# Altium PCB Split_pcb.PcbDoc (part 2 of 2)
Units mm, origin at the board's own origin, x right, y up, seen from the top; angles counter-clockwise.
Board outline 94 x 100 mm, 2 copper layers (Top Layer, Top, Bottom Layer, Bottom), stack 0.981 mm thick; 156 components, 108 nets, 453 pads, 241 vias.
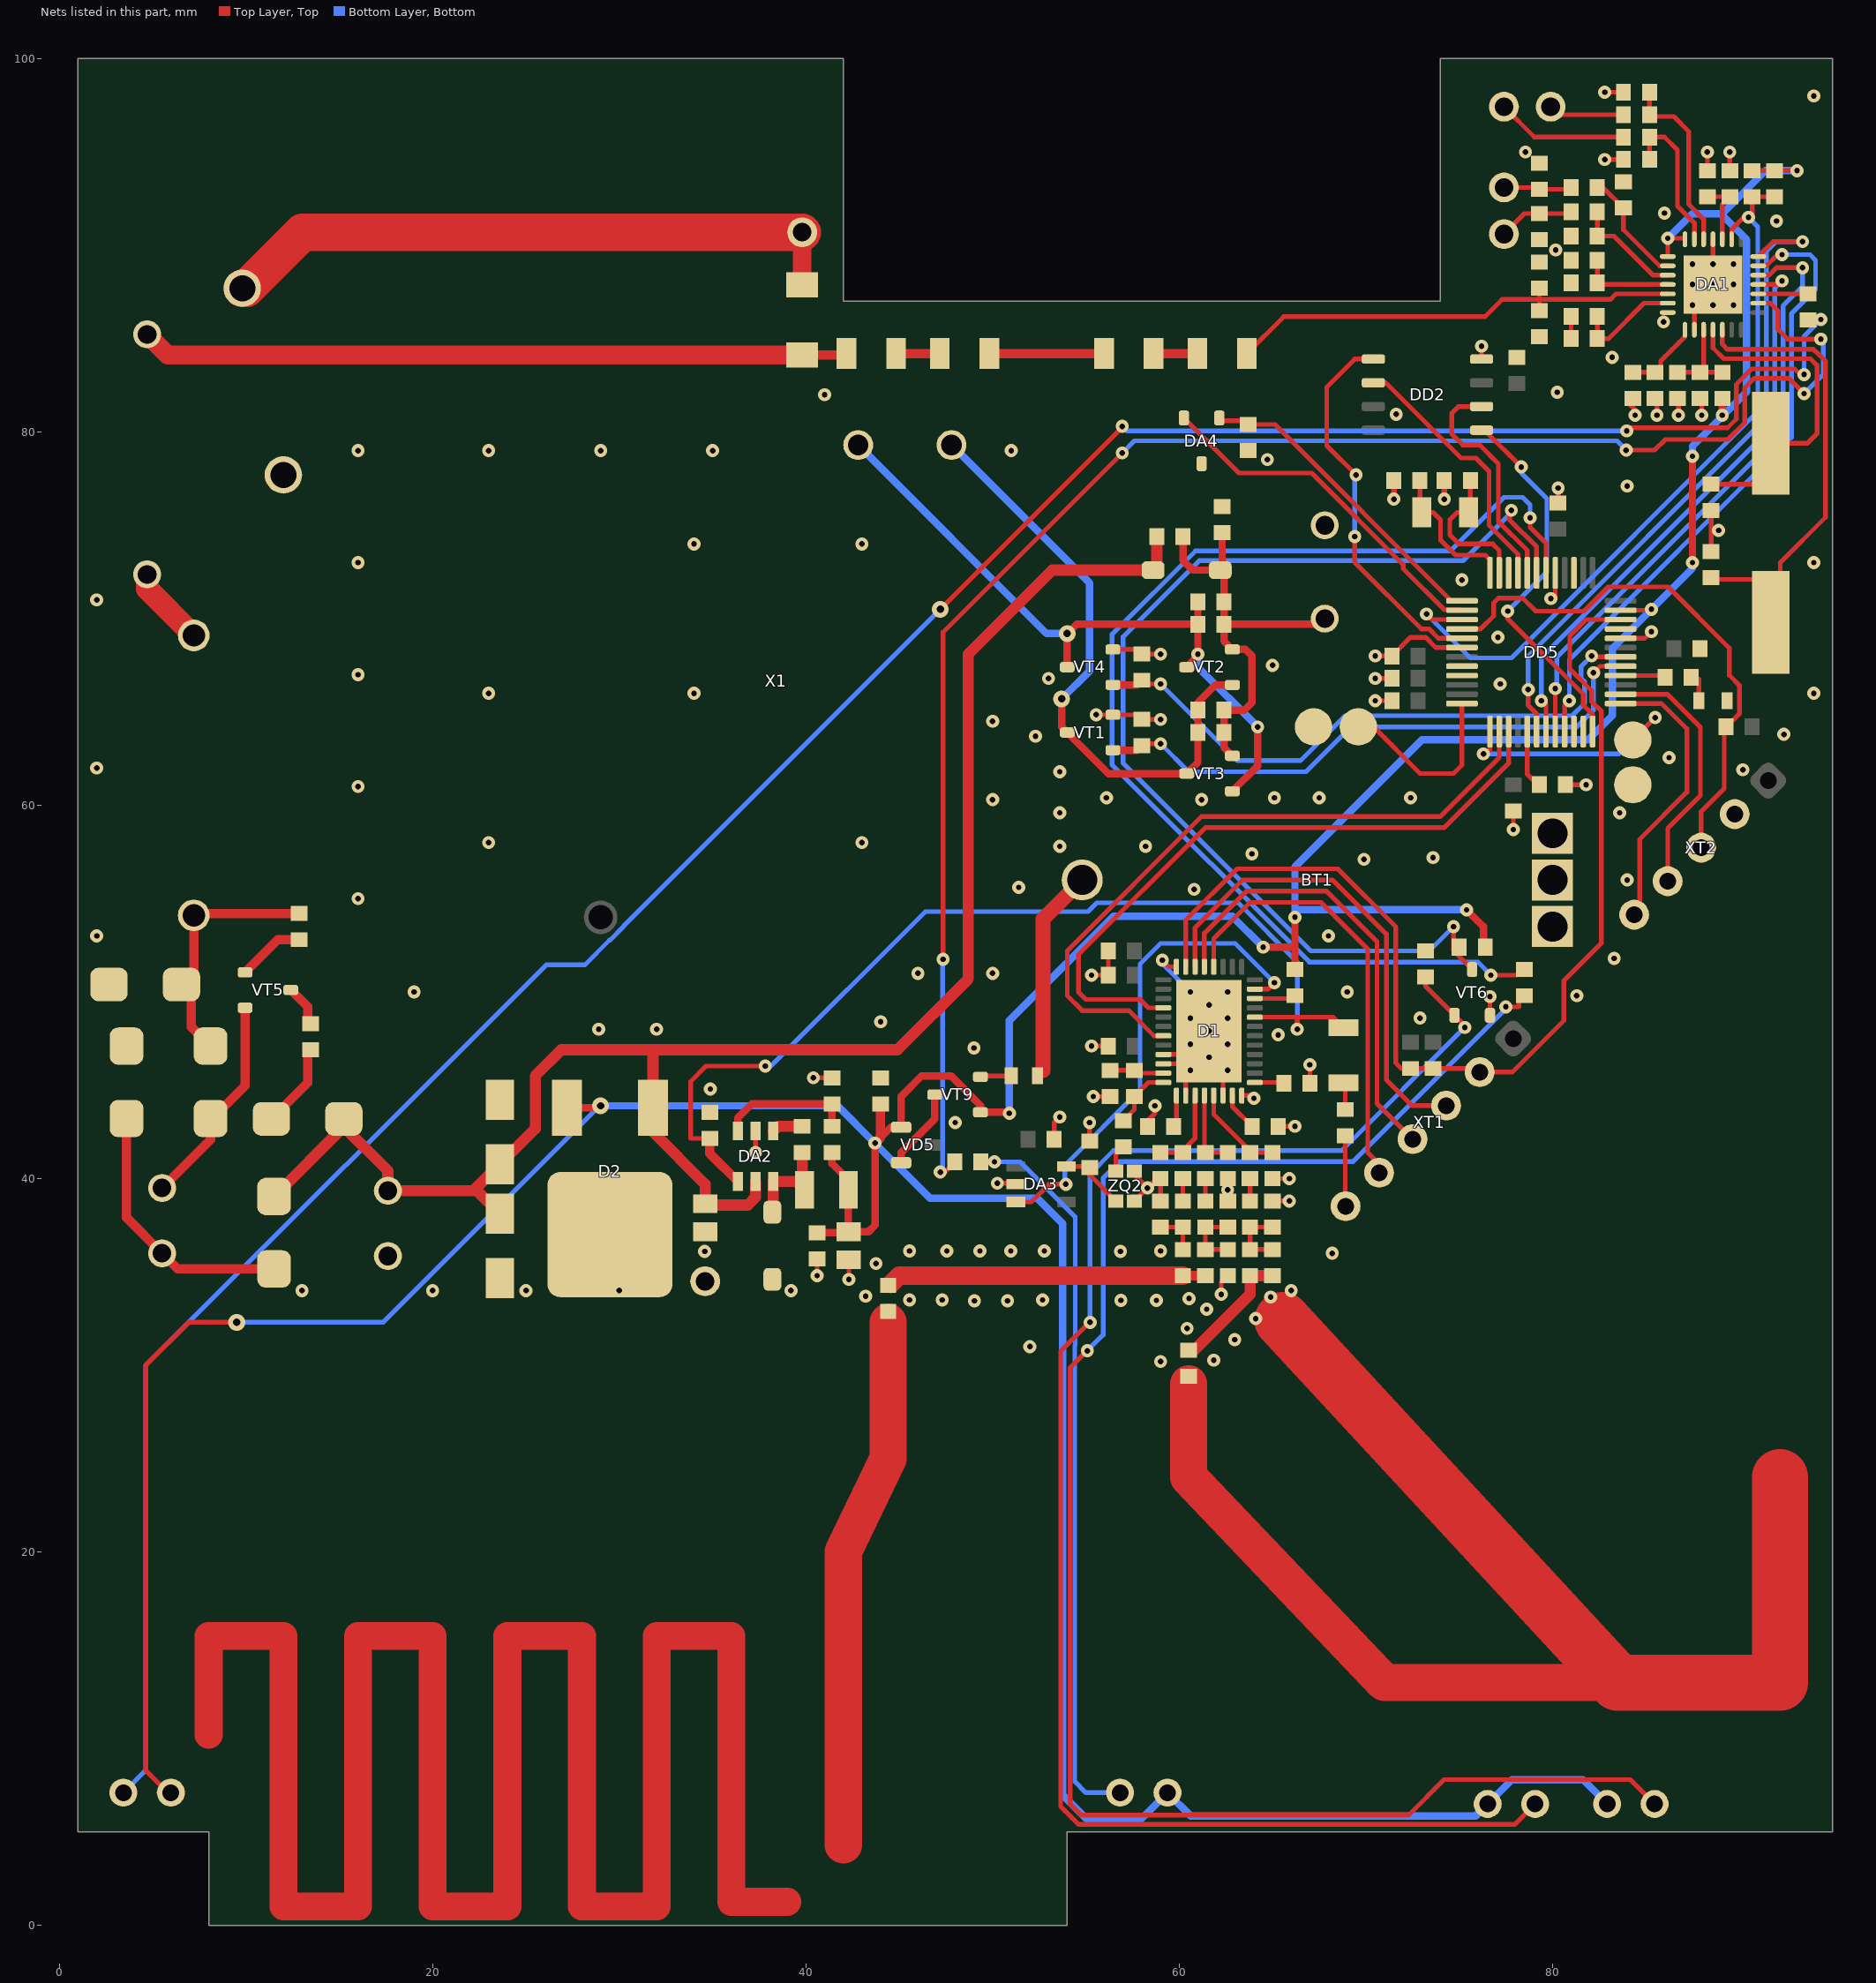
[diagram p2: the nets of this part, all layers, seen from the top]

## Via types
v1: diameter 0.7, hole 0.3, Top Layer, Top to Bottom Layer, Bottom, tented both sides, 216 vias
v2: diameter 0.6, hole 0.3, Top Layer, Top to Bottom Layer, Bottom, tented both sides, 20 vias
v3: diameter 0.9, hole 0.4, Top Layer, Top to Bottom Layer, Bottom, tented both sides, 5 vias

## Nets (pads, with @x,y where several pads share a name; then routed paths per layer and width w, separated by ;. In a path a pad name is that pad's centre, name@x,y a point inside that pad or via, vN(x,y) a via of type N, cw(c..) or ccw(c..) an arc to the next point about the centre after c; other vN are vias at no path point) (continued)
12V: C13.1 C17.1 D2.1 DA2.5 R11.1 VD4.1 VD9.1 VD10.1 VD13.1 VD14.1 | length 93.7
  Top Layer, Top w0.6: VD4.1@11.5,39.04 VD10.1@15.24,42.78 ; VD10.1@15.24,43.2 VD10.1@15.24,42.78 ; VD9.1@23.6,38.125 22.375,39.35 22.175,39.35 ; DA2.5@37.3,39.85 37.3,39 36.886,38.586 34.664,38.586 C17.1@34.6,38.65 34.6,39.7 31.8,42.5 D2.1@31.8,43.8 31.8,46.9 ; R11.1@58.8,74.4 58.8,72.8 VD13.1@58.6,72.6 53.2,72.6 48.7,68.1 48.7,50.7 44.9,46.9 31.8,46.9 ; VD10.1@15.24,42.78 17.6,40.42 C13.1@17.6,39.35 22.175,39.35 ; 22.175,39.35 VD14.1@23.6,40.775 25.5,42.675 25.5,45.5 26.9,46.9 31.8,46.9
"+3 В_FL": C27.1 C29.1 C37.1 D2.3 DA1.7 DA1.8 DD5.47 HL1.1 HL4.2 HL5.2 HL6.1 L3.2 L13.1 R9.1 R15.2 R22.1 R26.1 R34.1 VD5.1 VT9.1 | length 276.8
  Top Layer, Top w0.25: HL1.1@5.97,7.1 5.82,7.1 4.625,8.295 4.625,29.995 6.93,32.3 v3(9.5,32.3) ; L3.2@42.273,39.4 L3.2@42.273,39.927 ; DD5.47@83.65,70.45 85.25,70.45 v1(85.3,70.5) ; DA1.8@86.175,89.4 v1(86.175,90.375) 87.05,90.375 DA1.7@87.1,90.325 ; R9.1@90.7,94 C29.1@91.9,94 v1(93.1,94)
  Top Layer, Top w0.4: D2.3@27.2,43.8 28.9,43.8 v3(29,43.9) ; R26.1@40.6,37.1 C37.1@42.25,37.1 ; R15.2@41.4,41.4 41.4,40.8 L3.2@42.273,39.927 ; C37.1@42.273,37.123 L3.2@42.273,39.4 ; C37.1@42.3,37.15 43.35,37.15 43.7,37.5 v1(43.7,41.9) ; 44,42.2 44.55,42.75 VD5.1@45.1,42.75 45.1,44.4 46.2,45.5 47.775,45.5 49.35,43.925 VT9.1@49.35,43.55 50.85,43.55 v1(50.9,43.5) ; v1(64.5,52.4) 66.2,52.4 ; R22.1@66.2,51.2 66.2,52.4 ; v1(66.2,54) 66.2,52.4 ; v1(75.4,54.4) 76.3,53.5 R34.1@76.3,52.5 ; v1(87.5,73) v1(87.5,78.7) ; v1(89.1,80.9) L13.1@89.1,81.8
  Top Layer, Top w0.5: v1(43.7,41.9) 44,42.2 C27.1@44,44
  Bottom Layer, Bottom w0.25: v3(9.5,32.3) 17.345,32.3 28.945,43.9 v3(29,43.9)
  Bottom Layer, Bottom w0.4: v3(29,43.9) 41.7,43.9 v1(43.7,41.9) 46.65,38.95 52.4,38.95 53.755,37.595 53.755,6.97 55.005,5.72 57.99,5.72 HL6.1@59.37,7.1 60.62,5.85 75.88,5.85 HL4.2@76.53,6.5 77.83,7.8 81.63,7.8 HL5.2@82.93,6.5 ; v1(50.9,43.5) 50.9,48.475 56.475,54.05 62.85,54.05 v1(64.5,52.4) ; v1(66.2,54) 66.2,54.5 ; v1(75.4,54.4) 66.3,54.4 66.2,54.5 ; v1(86.175,90.375) 87.5,91.7 89.1,91.7 ; v1(87.5,73) 87.5,72.7 v1(85.3,70.5) 83.2,68.4 83.2,64.8 81.9,63.5 73,63.5 66.2,56.7 66.2,54.5 ; v1(87.5,78.7) 87.5,79.25 90.4,82.15 90.4,90.3 89.1,91.6 89.1,91.7 ; v1(93.1,94) 91.4,94 89.1,91.7
A0: DD5.34
ADCS: DA1.28 DD5.30 | length 36.1
  Top Layer, Top w0.25: v1(78.7,66.2) 78.7,65.345 79.15,64.895 DD5.30@79.15,63.95 ; DA1.28@91.1,89.4 DA1.28@91.025,89.4 91.825,90.2 v1(93.4,90.2)
  Bottom Layer, Bottom w0.25: v1(78.7,66.2) 78.7,68 91.455,80.755 91.455,89.655 92,90.2 v1(93.4,90.2)
ADRESET: C29.2 DA1.2 DD5.15 R9.2 | length 40.9
  Top Layer, Top w0.25: v1(73.25,70.25) 73.55,69.95 DD5.15@75.15,69.95 ; DA1.2@89.6,90.325 89.6,90.85 90.25,91.5 v1(90.5,91.5) 90.7,91.7 R9.2@90.7,92.6 C29.2@91.9,92.6
  Bottom Layer, Bottom w0.25: v1(73.25,70.25) 75.6,67.9 77.8,67.9 91,81.1 91,91 v1(90.5,91.5)
ADSCK: DA1.25 DD5.31 | length 31
  Top Layer, Top w0.25: v1(79.4,65.6) 79.5,65.6 79.65,65.45 DD5.31@79.65,63.95 ; DA1.25@91.025,87.9 92.1,87.9 v1(92.3,88.1)
  Bottom Layer, Bottom w0.25: v1(79.4,65.6) 79.4,67.9 91.905,80.405 91.905,87.705 v1(92.3,88.1)
ADSDI: DA1.26 DD5.32 | length 32.9
  Top Layer, Top w0.25: DD5.32@80.15,63.95 v1(80.15,66.25) ; DA1.26@91.025,88.4 91.6,88.4 92,88.8 v1(93.4,88.8)
  Bottom Layer, Bottom w0.25: v1(80.15,66.25) 80.225,66.325 80.225,67.925 92.355,80.055 92.355,86.755 93.4,87.8 v1(93.4,88.8)
ADSDO: DA1.27 DD5.33 | length 34.3
  Top Layer, Top w0.25: DD5.33@80.65,63.95 80.65,65.35 v1(80.9,65.6) ; DA1.27@91.025,88.9 91.461,88.9 92.061,89.5 v1(92.3,89.5)
  Bottom Layer, Bottom w0.25: v1(80.9,65.6) 80.9,67.8 92.805,79.705 92.805,86.335 94.1,87.63 94.1,89.2 93.8,89.5 v1(92.3,89.5)
ANT: C33.1 L4.1 L12.2 | length 17
  Top Layer, Top w0.5: L4.1@60.2,34.8 C33.1@61.4,34.8
  Top Layer, Top w1: L12.2@44.55,34.35 45,34.8 L4.1@60.2,34.8
AXEMRX: D1.32 DD5.27 | length 35.9
  Top Layer, Top w0.25: D1.32@59.15,49.15 58.35,49.15 57.9,49.6 55,49.6 54.6,50 54.6,52 61.4,58.8 74.2,58.8 77.65,62.25 DD5.27@77.65,63.95
AXEMTX: D1.35 DD5.26 | length 37.3
  Top Layer, Top w0.25: D1.35@59.15,47.65 58.65,47.65 57.3,49 54.8,49 54,49.8 54,52.2 61.2,59.4 74,59.4 77.15,62.55 DD5.26@77.15,63.95
BACKLIGHT: DD5.40 R23.1 | length 2.4
  Top Layer, Top w0.25: DD5.40@83.65,66.95 R23.1@86.025,66.95
CS0: DD5.45
CS1: DD2.1 DD5.36 | length 20.4
  Top Layer, Top w0.25: DD2.1@76.2,80.095 76.355,80.095 v1(78.325,78.125) ; v1(77.6,70.4) 77.6,70 81.65,65.95 81.65,65.366 82.15,64.866 DD5.36@82.15,63.95
  Bottom Layer, Bottom w0.25: v1(77.6,70.4) 79.7,72.5 79.7,76.425 78.325,77.8 v1(78.325,78.125)
DBG_CLK: D1.25 XT1.4 | length 24.5
  Top Layer, Top w0.254: D1.25@61.35,51.35 61.35,53.15 63.6,55.4 67.9,55.4 70.6,52.7 70.6,44.02 XT1.4@72.506,42.113
DBG_DATA: D1.24 XT1.5 | length 23.8
  Top Layer, Top w0.254: D1.24@61.85,51.35 61.85,52.85 63.8,54.8 67.6,54.8 70.1,52.3 70.1,41.4 70.71,40.79 XT1.5@70.71,40.317
DBG_EN: D1.26 XT1.3 | length 26.2
  Top Layer, Top w0.254: D1.26@60.85,51.35 60.85,53.45 63.4,56 68.2,56 71.1,53.1 71.1,45.3 72.491,43.909 XT1.3@74.303,43.909
GND: BT1.2 C1.2 C2.2 C3.2 C4.1 C5.2 C6.1 C7.1 C8.2 C9.1 C10.2 C13.2 C14.1 C17.2 C18.2 C20.2 C22.1 C23.2 C25.2 C26.2 C27.2 C28.1 C30.2 C31.2 C32.2 C34.2 C35.1 C36.2 C37.2 C38.2 C39.2 C43.2 C51.2 C52.2 C53.2 C56.2 C57.2 C63.1 C65.2 C66.2 C67.2 C68.2 C69.2 C70.2 C71.2 C72.2 C73.2 D1.2 D1.6 D1.8 D1.28 D1.37 D1.38 D1.41 D2.2 DA1.4 DA1.14 DA1.16 DA1.29 DA2.2 DA3.2 DA4.3 DD2.4 DD5.5 DD5.18 DD5.44 HL3.2 K4.1 L6.1 L9.2 L10.2 L11.1 L12.1 MOV1.1 pad.0@67.2,64.2 pad.0@84.3,61.1 R2.1 R8.1 R12.2 R16.2 R17.1 R18.2 R24.1 R26.2 R30.1 R33.1 R35.1 VD1.2 VD2.2 VD9.2 VD11.2 VD14.2 VT1.2 VT4.2 VT6.2 XT1.6 XT2.2 ZQ2.1 ZQ2.2 | length 319.7
  Top Layer, Top w0.25: v1(37.3,41.4) DA2.2@37.3,42.55 ; v1(40.4,45.4) R17.1@41.4,45.4 ; v1(40.6,34.8) R26.2@40.6,35.7 ; v1(42.3,34.6) C37.2@42.3,35.65 ; v1(50.252,39.752) 51.198,39.752 DA3.2@51.25,39.7 ; C53.2@53.3,42.1 53.3,43 v1(53.6,43.3) ; C52.2@55.2,42 v1(55.2,43) ; v1(55.3,47.1) C20.2@56.2,47.1 ; v1(55.3,50.9) C32.2@56.2,50.9 C18.2@56.2,52.2 ; v1(55.4,44.4) C43.2@56.3,44.4 ; v1(55.55,64.85) VT1.2@56.45,64.85 57.75,64.85 R24.1@58,64.6 v1(59,64.6) ; VT4.2@56.45,68.35 57.75,68.35 R30.1@58,68.1 59.1,68.1 v1(59,68.1) ; ZQ2.1@57.6,38.8 v1(58.3,39.5) ; ZQ2.2@57.6,40.4 57.6,40.2 v1(58.3,39.5) ; C34.2@58.3,42.8 58.3,43.1 58.7,43.5 v1(58.7,43.9) ; C57.2@59,38.8 L9.2@59,40 58.8,40 v1(58.3,39.5) ; v1(59.1,51.7) 59.45,51.35 D1.28@59.85,51.35 ; D1.38@59.15,46.15 59.85,46.15 D1.41@60.35,46.65 ; D1.37@59.15,46.65 D1.41@60.35,46.65 ; D1.2@60.35,44.45 60.35,45.55 v2(60.6,45.8) ; v2(61.6,47.9) D1.41@60.35,46.65 ; v1(62.25,33.8) 62.25,34.45 L6.1@62.6,34.8 ; D1.6@62.35,44.45 62.35,45.55 v2(62.6,45.8) ; D1.8@63.35,44.45 63.85,44.45 v1(64,44.3) ; C51.2@65,38.8 v1(65.9,38.8) v1@66.1,38.8 ; L11.1@65,40 v1(65.9,40) ; C36.2@65.3,42.8 v1(66.2,42.8) ; C35.1@67,45.1 v1(67,46.1) ; R18.2@68.9,42.3 68.9,38.842 XT1.6@69.345,38.397 ; v1(70.5,65.6) C68.2@71.4,65.6 ; v1(70.5,66.8) C73.2@71.4,66.8 ; v1(70.5,68) C72.2@71.4,68 72.4,69 73.2,69 73.75,68.45 DD5.18@75.15,68.45 ; DD2.4@76.2,83.905 v1@76.2,84.8 ; VT6.2@76.65,48.75 v1(76.65,49.75) ; v1(77.9,58.7) C70.2@77.9,59.7 ; v1@80.011,71.077 80.15,71.216 DD5.5@80.15,72.45 ; v1(80.3,77) 80.3,76.6 80.6,76.3 C69.2@80.6,76.2 ; C65.2@80.7,61.1 v1(81.8,61.1) ; C10.2@81,85 C23.2@81,86.2 ; v1(82.8,94.6) 82.9,94.6 C2.2@83.8,94.6 ; v1(82.8,98.2) C5.2@83.8,98.2 ; DD5.44@83.65,68.95 84.95,68.95 v1(85.3,69.3) ; v1(84.425,80.9) 84.425,81.175 84.2,81.4 C4.1@84.6,81.8 ; v1(85.6,80.9) 85.6,81.6 C6.1@85.8,81.8 ; v1(86.75,80.9) 86.75,81.55 C9.1@87,81.8 ; v2(87.5,86.8) 87.6,86.7 DA1.16@87.6,85.475 ; v1(88,80.9) 88,81.6 C7.1@88.2,81.8 ; C22.1@88.3,94 v1(88.3,95) ; C30.2@88.5,73.6 88.5,74.7 C31.2@88.5,75.8 ; v2(88.6,89) DA1.4@88.6,90.325 ; C28.1@89.5,94 v1(89.5,95)
  Top Layer, Top w0.3: v1(71.5,76.4) C67.2@71.5,77.4 ; v1(74.2,76.4) C66.2@74.2,77.4
  Top Layer, Top w1.5: 8,10.2 8,15.5 12,15.5 12,1 16,1 16,15.5 20,15.5 20,1 24,1 24,15.5 28,15.5 28,1 32,1 32,15.5 36,15.5 36,1.25 39,1.25
  Top Layer, Top w2: 42,4.3 42,20 44.4,25 44.4,32.3 ; 60.5,29 60.5,24 71,13 83,13
  Top Layer, Top w3: 65.53,32.427 83.02,13.519 83.5,13 92.2,13 92.2,24
  Bottom Layer, Bottom w0.25: v1(59.1,51.7) 59.1,51.5 v2(60.6,50)
  other v1: 59,30.2 61.85,30.275 52,31 62.975,31.375 60.425,31.975 64.1,32.5 61.475,33 49.025,33.45 50.8,33.45 56.875,33.475 58.775,33.475 45.55,33.5 47.3,33.5 52.675,33.5 60.525,33.575 64.9,33.65 43.2,33.7 13,34 20,34 25,34 30,34 39.2,34 66,34 43.75,35.45 68.2,36 34.575,36.1 56.85,36.1 45.55,36.125 47.55,36.125 49.325,36.125 50.975,36.125 52.775,36.125 59,36.125 62.6,39.4 48,43 34.875,44.8 49,47 65.3,47.7 28.9,48 32,48 44,48.4 72.9,48.6 81.3,49.8 19,50 69,50 46,51 50,51 83.3,51.8 2,53 68,53 16,55 60.8,55.5 51.4,55.6 84,56 69.9,57.1 73.6,57.2 63.9,57.4 53.6,57.8 58.2,57.8 23,58 43,58 53.6,59.6 83.6,59.6 50,60.3 61.2,60.3 56.1,60.4 65.1,60.4 67.5,60.4 72.4,60.4 16,61 53.6,61.8 90.2,61.9 2,62 86.25,62.55 52.3,63.7 92.4,63.8 50,64.5 23,66 34,66 94,66 77.2,66.5 53,66.8 16,67 65,67.5 77.075,69 2,71 79.911,71.077 75.15,72.075 16,73 94,73 34,74 43,74 88.9,74.725 84,77.1 64.725,78.525 16,79 23,79 29,79 35,79 51,79 71.625,80.95 41,82 80.25,82.125 83.2,84 76.2,84.6 85.95,85.9 80.175,89.75 92,91.3 86,91.725 78.55,95 94,98
  other v2: 61.6,46.5 60.6,47.2 62.6,47.2 60.6,48.6 62.6,48.6 61.6,49.3 62.6,50 88.6,86.8 89.7,86.8 87.5,87.9 88.6,87.9 89.7,87.9 87.5,89 89.7,89
IMPLED: DA1.24 R27.2 | length 2.7
  Top Layer, Top w0.25: DA1.24@91.025,87.4 R27.2@93.7,87.4
IMPOUT: DA1.23 R31.2 | length 92
  Top Layer, Top w0.25: v1(47.2,40.35) 47.45,40.35 R31.2@48.075,40.975 ; v1(47.35,51.75) 47.35,69.275 v1(56.95,78.875) ; v1(83.95,79.025) 85.475,79.025 86.05,79.6 89.391,79.6 90.3,80.509 90.3,82.364 90.811,82.875 92.651,82.875 93.476,82.05 v1(93.48,82.054) ; DA1.23@91.025,86.9 91.675,86.9 92.075,86.5 92.075,85.5 92.6,84.975 92.604,84.979 v1(94.38,84.979)
  Bottom Layer, Bottom w0.25: v1(47.2,40.35) 47.325,40.35 47.325,51.725 v1(47.35,51.75) ; v1(56.95,78.875) 57.6,79.525 83.45,79.525 v1(83.95,79.025) ; v1(93.48,82.054) 94.504,83.079 94.504,84.979 v1(94.38,84.979)
K5: C15.2 R25.1 VT1.3 VT2.1 VT3.3 X1.1 | length 32.8
  Top Layer, Top w0.4: v3(53.7,65.7) 53.7,64.2 VT1.3@54,63.9 56.2,61.7 VT3.3@60.4,61.7 61,62.3 R25.1@61,65.1 61,65.5 61.95,66.45 VT2.1@62.85,66.45
  Bottom Layer, Bottom w0.4: X1.1@47.8,79.3 55.2,71.9 55.2,67.2 v3(53.7,65.7)
K7: C16.2 R28.1 VT2.3 VT3.1 VT4.3 X1.2 | length 37.3
  Top Layer, Top w0.4: VT4.3@54,67.4 v3(54,69.2) 54.5,69.7 C16.2@61,69.7 v1(61,68.1) ; VT2.3@60.4,67.4 v1@61,68 ; C16.2@61,69.7 R28.1@61,70.9 ; VT3.1@62.85,60.75 64.2,62.1 v1(64.2,64.2)
  Bottom Layer, Bottom w0.4: X1.2@42.8,79.3 52.9,69.2 v3(54,69.2) ; v1(61,68.1) 61,67.4 v1(64.2,64.2)
LCD_BL: HL3.1 R23.2 | length 1.2
  Top Layer, Top w0.254: HL3.1@87.85,65.6 87.85,66.75
LCD_POW: DD5.35
LCD_RES: DD5.10
MISO: DD2.2 DD5.8 | length 12.5
  Top Layer, Top w0.25: DD2.2@76.2,81.365 74.965,81.365 74.6,81 74.6,79.9 75.2,79.3 76.1,79.3 77.1,78.3 77.1,75.2 78.65,73.65 DD5.8@78.65,72.45
MOSI: DD2.5 DD5.17 | length 20.9
  Top Layer, Top w0.25: v1(69.4,74.4) 69.4,73.025 72.975,69.45 73.386,69.45 73.886,68.95 DD5.17@75.15,68.95 ; v1(69.475,77.7) 67.9,79.275 67.9,82.4 69.405,83.905 DD2.5@70.4,83.905
  Bottom Layer, Bottom w0.25: v1(69.4,74.4) 69.4,77.825 69.475,77.825 v1(69.475,77.7)
NetBT1_1: BT1.1 JMP.1 | length 11.1
  Top Layer, Top w0.8: JMP.1@52.7,45.8 52.7,53.9 BT1.1@54.8,56
NetC1_1: C1.1 C15.1 C16.1 C38.1 R11.2 R25.2 R28.2 VD13.2 VT2.2 VT3.2 | length 23.6
  Top Layer, Top w0.4: R11.2@60.2,74.4 60.2,73.125 60.725,72.6 VD13.2@62.2,72.6 ; C38.1@62.3,74.6 62.3,72.7 VD13.2@62.2,72.6 ; VT3.2@62.85,62.65 62.4,63.1 R25.2@62.4,65.1 63.5,65.1 63.9,65.5 63.9,68 63.55,68.35 VT2.2@62.85,68.35 62.4,68.8 C16.1@62.4,69.7 ; C1.1@67.8,70 67.5,69.7 C16.1@62.4,69.7 ; VD13.2@62.2,72.6 62.4,72.4 R28.2@62.4,70.9 C16.1@62.4,69.7
NetC2_1: C2.1 DA1.6 R1.1 | length 8.1
  Top Layer, Top w0.25: C2.1@85.2,94.6 R1.1@85.2,95.8 86,95.8 86.7,95.1 86.7,92.1 87.6,91.2 DA1.6@87.6,90.325
NetC3_1: C3.1 DA1.11 R2.2 | length 5.1
  Top Layer, Top w0.25: R2.2@82.4,88.1 R2.2@82.45,88.05 ; C3.1@82.4,89.2 R2.2@82.4,88 82.5,87.9 DA1.11@86.175,87.9
NetC4_2: C4.2 C6.2 DA1.15 | length 4
  Top Layer, Top w0.25: C4.2@84.6,83.2 C6.2@85.5,83.2 85.8,83.2 85.8,83.8 87.1,85.1 DA1.15@87.1,85.475
NetC5_1: C5.1 DA1.5 R3.1 | length 9.8
  Top Layer, Top w0.25: C5.1@85.2,98.2 R3.1@85.2,97 85.3,96.9 86.5,96.9 87.3,96.1 87.3,92.2 88.1,91.4 DA1.5@88.1,90.325
NetC7_2: C7.2 C9.2 DA1.17 L13.2 | length 4.7
  Top Layer, Top w0.25: C9.2@87,83.2 C7.2@87.9,83.2 C7.2@88.2,83.2 ; DA1.17@88.1,85.475 88.1,83.3 C7.2@88.2,83.2 ; L13.2@89.4,83.2 L13.2@89.1,83.2 C7.2@88.2,83.2
NetC8_1: C8.1 DA1.12 R4.2 R8.2 | length 25.1
  Top Layer, Top w0.25: R4.2@63.625,84.2 65.6,86.175 76.375,86.175 77.3,87.1 79.3,87.1 ; R8.2@79.3,86.5 79.3,87.1 ; C8.1@79.3,87.7 79.3,87.1 ; DA1.12@86.175,87.4 83.4,87.4 83.1,87.1 79.3,87.1
NetC10_1: C10.1 C23.1 DA1.13 | length 5.8
  Top Layer, Top w0.25: C23.1@82.4,86.2 C10.1@82.4,85 83,85 84.9,86.9 DA1.13@86.175,86.9
NetC11_1: C11.1 R10.2 | length 4.3
  Top Layer, Top w1.2: R10.2@4.7,72.371 4.7,71.6 C11.1@7.2,69.1
NetC11_2: C11.2 R13.2 VD1.1 VD3.2 | length 12.5
  Top Layer, Top w0.5: VD1.1@6.54,50.4 7.075,49.865 7.075,48.125 VD3.2@8.1,47.1 ; VD1.1@7.2,51.06 C11.2@7.2,54.1 7.3,54.2 R13.2@12.7,54.2
NetC12_1: C12.1 VD3.1 VT5.2 | length 11.5
  Top Layer, Top w0.5: C12.1@5.5,39.5 8.1,42.1 VD3.1@8.1,43.22 8.195,43.22 9.95,44.975 VT5.2@9.95,49.15
NetC12_2: C12.2 VD2.1 VD4.2 | length 14.4
  Top Layer, Top w0.5: VD2.1@3.6,43.22 3.6,37.9 C12.2@5.5,36 6.34,35.16 VD4.2@11.5,35.16
NetC19_1: C19.1 DA2.6 L3.1 VD11.1 | length 5.2
  Top Layer, Top w0.6: VD11.1@38.25,38.2 DA2.6@38.25,39.85 39.477,39.85 39.8,39.527 C19.1@39.8,41.4
NetC19_2: C19.2 DA2.1 | length 1.7
  Top Layer, Top w0.6: DA2.1@38.25,42.55 38.5,42.8 C19.2@39.8,42.8
NetC22_2: C22.2 C28.2 DA1.3 | length 3.6
  Top Layer, Top w0.25: C22.2@88.3,92.6 C28.2@89.5,92.6 89.1,92.2 DA1.3@89.1,90.325
NetC25_1: C25.1 DA1.10 R29.1 | length 5.9
  Top Layer, Top w0.25: R29.1@82.4,91.8 C25.1@82.4,90.5 83.3,90.5 85.4,88.4 DA1.10@86.175,88.4
NetC26_1: C26.1 DA1.9 R21.1 | length 6.2
  Top Layer, Top w0.25: R21.1@82.4,93.1 82.7,93.1 C26.1@83.8,92 83.8,90.839 85.739,88.9 DA1.9@86.175,88.9
NetC30_1: C30.1 DA1.19 ZQ1.1 | length 23.8
  Top Layer, Top w0.25: 89,72.1 ZQ1.1@92,72.1 ; DA1.19@89.1,85.475 89.1,84.7 89.375,84.425 93.979,84.425 94.1,84.304 94.121,84.304 94.625,83.8 94.625,75.425 92.2,73 ZQ1.1@92.2,71.95 ; ZQ1.1@92,71 92.2,70.8 ZQ1.1@92.2,69.8
NetC31_1: C31.1 DA1.18 ZQ1.2 | length 16.5
  Top Layer, Top w0.25: DA1.18@88.6,85.475 88.6,84.5 89.175,83.925 93.825,83.925 94.175,83.575 94.175,79.9 93.675,79.4 ZQ1.2@91.7,79.4 ; 89,77.2 ZQ1.2@92.2,77.2
NetC33_2: C33.2 C56.1 L6.2 L7.1 | length 3.6
  Top Layer, Top w0.25: L6.2@62.6,36.2 C33.2@61.4,36.2 L7.1@61.4,37.4 C56.1@62.6,37.4
NetC34_1: C34.1 D1.1 | length 1.7
  Top Layer, Top w0.25: C34.1@59.7,42.8 59.85,42.95 D1.1@59.85,44.45
NetC35_2: C35.2 D1.9 | length 1.6
  Top Layer, Top w0.25: D1.9@64.05,45.15 65.55,45.15 C35.2@65.6,45.1
NetC36_1: C36.1 D1.7 | length 2.1
  Top Layer, Top w0.25: D1.7@62.85,44.45 62.85,43.85 C36.1@63.9,42.8
NetC43_1: C43.1 D1.39 R19.2 | length 2.9
  Top Layer, Top w0.25: C43.1@56.3,45.8 R19.2@57.6,45.8 57.75,45.65 D1.39@59.15,45.65
NetC49_1: C49.1 D1.40 R19.1 | length 3.4
  Top Layer, Top w0.25: C49.1@57,43.1 57.6,43.7 R19.1@57.6,44.4 58.35,45.15 D1.40@59.15,45.15
NetC49_2: C49.2 ZQ2.3 | length 1.5
  Top Layer, Top w0.25: ZQ2.3@56.6,40.4 56.6,41.3 C49.2@57,41.7
NetC50_1: C50.1 L5.2 | length 1.2
  Top Layer, Top w0.25: L5.2@63.8,38.8 C50.1@63.8,40
NetC50_2: C50.2 D1.5 L11.2 | length 5.1
  Top Layer, Top w0.25: D1.5@61.85,44.45 61.85,43.44 63.8,41.49 C50.2@63.8,41.4 L11.2@65,41.4
NetC51_1: C51.1 C61.2 L2.2 L5.1 | length 3.6
  Top Layer, Top w0.25: C61.2@65,36.2 L2.2@63.8,36.2 L5.1@63.8,37.4 C51.1@65,37.4
NetC52_1: C52.1 DA3.5 ZQ2.4 | length 3.7
  Top Layer, Top w0.25: DA3.5@53.95,40.65 55.15,40.65 C52.1@55.2,40.6 55.2,40.2 ZQ2.4@56.6,38.8
NetC57_1: C57.1 L4.2 L8.1 | length 2.4
  Top Layer, Top w0.25: C57.1@59,37.4 L8.1@60.2,37.4 L4.2@60.2,36.2
NetC58_1: C58.1 L8.2 | length 1.2
  Top Layer, Top w0.25: L8.2@60.2,38.8 C58.1@60.2,40
NetC58_2: C58.2 D1.3 L9.1 | length 4.5
  Top Layer, Top w0.25: L9.1@59,41.4 60.09,41.4 60.815,42.125 60.825,42.125 60.85,42.15 D1.3@60.85,44.45
NetC59_1: C59.1 L7.2 | length 1.2
  Top Layer, Top w0.25: L7.2@61.4,38.8 C59.1@61.4,40
NetC59_2: C59.2 D1.4 L10.1 | length 4.3
  Top Layer, Top w0.25: D1.4@61.35,44.45 61.35,41.45 C59.2@61.4,41.4 L10.1@62.6,41.4
NetC61_1: C61.1 C63.2 L2.1 | length 6.8
  Top Layer, Top w0.6: C63.2@60.4,30.8 C63.2@60.5,30.8 60.8,30.8 63.8,33.8 L2.1@63.8,34.8 C61.1@65,34.8
NetC65_1: C65.1 DD5.29 | length 3
  Top Layer, Top w0.25: DD5.29@78.65,63.95 78.65,61.66 79.1,61.21 C65.1@79.1,61.1
NetC66_1: C66.1 DD5.11 ZQ4.1 | length 7.9
  Top Layer, Top w0.25: C66.1@75.6,77.4 75.6,75.8 ZQ4.1@75.5,75.7 74.9,75.7 74.5,75.3 74.5,74.5 75,74 76.8,74 77.15,73.65 DD5.11@77.15,72.45
NetC67_1: C67.1 DD5.12 ZQ4.2 | length 7.7
  Top Layer, Top w0.25: C67.1@72.9,77.4 72.9,75.8 ZQ4.2@73,75.7 ; ZQ4.2@73.1,75.7 73.6,75.7 74,75.3 74,74.2 74.8,73.4 76.4,73.4 76.65,73.15 DD5.12@76.65,72.45
NetD1_16: D1.16 DA2.4 HL2.1 R33.2 | length 54
  Top Layer, Top w0.25: R33.2@34.85,42.15 33.825,42.15 33.825,45.2 34.65,46.025 v1(37.825,46.025) ; D1.16@64.05,48.65 66.325,48.65 ; v1(66.325,48) 66.325,48.65 ; HL2.1@68.8,48.075 68.225,48.65 66.325,48.65
  Top Layer, Top w0.5: R33.2@34.85,42.15 34.85,41.35 DA2.4@36.35,39.85
  Bottom Layer, Bottom w0.25: v1(37.825,46.025) 38.125,46.025 46.4,54.3 55.115,54.3 55.59,54.775 63.161,54.775 66.325,51.611 v1(66.325,48)
NetD1_18: D1.18 R22.2 | length 2.2
  Top Layer, Top w0.25: D1.18@64.05,49.65 66.05,49.65 R22.2@66.2,49.8
NetDA2_3: DA2.3 R15.1 R17.2 | length 7.3
  Top Layer, Top w0.4: DA2.3@36.35,42.55 36.35,43.25 37.1,44 R17.2@41.4,44 R15.1@41.4,42.8
NetHL1_2: HL1.2 R27.1 | length 140.1
  Top Layer, Top w0.25: v3(47.2,70.5) v1@56.975,80.275 ; v1(83.979,80.054) 84.15,80.225 89.38,80.225 89.85,80.695 89.85,82.55 90.675,83.375 92.975,83.375 93.48,82.87 v1(93.48,83.079) ; R27.1@93.7,86 93.729,86.029 v1(94.38,86.029)
  Bottom Layer, Bottom w0.25: HL1.2@3.43,7.1 4.625,8.295 4.625,29.995 26.08,51.45 28.15,51.45 29.475,52.775 29.507,52.775 30.225,53.493 30.225,53.525 v3(47.2,70.5) ; v1(56.95,80.3) 57.196,80.054 v1(83.979,80.054) ; v1(93.48,83.079) 93.48,85.129 v1(94.38,86.029)
NetHL2_2: HL2.2 R18.1 | length 1.5
  Top Layer, Top w0.25: HL2.2@68.8,45.125 68.9,45.025 R18.1@68.9,43.7
NetHL4_1: HL4.1 R35.2 VT6.1 | length 87.7
  Top Layer, Top w0.25: v1(55.225,32.3) 55.205,32.32 53.648,30.763 53.648,6.365 54.614,5.4 77.97,5.4 HL4.1@79.07,6.5 ; R35.2@73.2,50.6 73.2,50.3 VT6.1@74.75,48.75 75.4,48.1 v1(75.3,48.1)
  Bottom Layer, Bottom w0.25: v1(55.225,32.3) 55.225,40.2 55.2,40.225 56.475,41.5 68.7,41.5 v1(75.3,48.1)
NetHL5_1: HL5.1 R36.1 | length 93.7
  Top Layer, Top w0.25: v1(55.075,30.775) 54.15,29.85 54.15,6.5 54.75,5.9 72.3,5.9 74.2,7.8 84.17,7.8 HL5.1@85.47,6.5 ; v1(77.5,49.2) 78.2,49.2 R36.1@78.2,49.6
  Bottom Layer, Bottom w0.25: v1(55.075,30.775) 55.925,31.625 55.925,40.025 56.804,40.904 69.304,40.904 77.5,49.1 v1(77.5,49.2)
NetHL6_2: HL6.2 R31.1 | length 39.2
  Top Layer, Top w0.25: R31.1@49.375,40.9 v1(50.1,40.9)
  Bottom Layer, Bottom w0.25: v1(50.1,40.9) 51.475,40.9 54.425,37.95 54.425,31.08 54.4,31.055 54.4,7.7 55,7.1 HL6.2@56.83,7.1
NetJMP_2: JMP.2 VT9.2 | length 1.8
  Top Layer, Top w0.25: VT9.2@49.35,45.45 49.4,45.5 JMP.2@51.1,45.5
NetK1_1: K1.1 R3.2 | length 4.4
  Top Layer, Top w0.25: K1.1@79.9,97.425 80.325,97 R3.2@83.8,97 R3.2@83.6,96.8
NetK2_1: K2.1 R1.2 | length 7.4
  Top Layer, Top w0.25: K2.1@77.4,97.425 79.025,95.8 R1.2@83.8,95.8 R1.2@83.6,96
NetK3_1: K3.1 L1.1 MOV1.2 | length 34.1
  Top Layer, Top w1: L1.1@39.8,87.875 K3.1@39.8,90.7
  Top Layer, Top w2: MOV1.2@9.8,87.7 10.025,87.7 13.025,90.7 K3.1@39.8,90.7
NetK5_1: K5.1 R12.1 R21.2 | length 3.7
  Top Layer, Top w0.25: K5.1@77.4,93.1 79.2,93.1 R12.1@79.3,93 80.9,93 R21.2@81,93.1
NetK6_1: K6.1 R16.1 R29.2 | length 4.1
  Top Layer, Top w0.25: K6.1@77.4,90.6 78.5,91.7 R16.1@79.3,91.7 80.9,91.7 R29.2@81,91.8
NetL1_2: L1.2 R7.2 R10.1 | length 38
  Top Layer, Top w0.5: L1.2@39.8,84.125 42.1,84.125 R7.2@42.175,84.2
  Top Layer, Top w1: R10.1@4.7,85.229 5.804,84.125 L1.2@39.8,84.125
NetR4_1: R4.1 R5.2 | length 2.4
  Top Layer, Top w0.5: R5.2@58.625,84.2 R4.1@60.975,84.2
NetR5_1: R5.1 R6.2 | length 6.1
  Top Layer, Top w0.5: R6.2@49.825,84.2 R5.1@55.975,84.2
NetR6_1: R6.1 R7.1 | length 2.4
  Top Layer, Top w0.5: R7.1@44.825,84.2 R6.1@47.175,84.2
NetR13_1: R13.1 VT5.1 | length 3.5
  Top Layer, Top w0.5: VT5.1@9.95,51.05 11.7,52.8 R13.1@12.7,52.8
NetR14_1: R14.1 VT5.3 | length 2.2
  Top Layer, Top w0.5: VT5.3@12.4,50.1 13.3,49.2 R14.1@13.3,48.3
NetR14_2: R14.2 VD10.2 | length 4.5
  Top Layer, Top w0.5: VD10.2@11.36,43.2 13.3,45.14 R14.2@13.3,46.9
NetVD5_2: VD5.2 VT9.3 | length 4.4
  Top Layer, Top w0.4: VD5.2@45.1,40.85 45.1,41.4 46.9,43.2 VT9.3@46.9,44.5
OPTO_RX: DD5.7 R34.2 VT6.3 | length 59.6
  Top Layer, Top w0.254: v1(74.7,53.5) 74.7,52.2 VT6.3@75.7,51.2 ; v1(77.8,75.8) 77.7,75.7 77.7,75.3 79.15,73.85 DD5.7@79.15,72.45
  Bottom Layer, Bottom w0.254: v1(74.7,53.5) 73.4,52.2 67.043,52.2 57,62.243 57,69.025 61.075,73.1 75.2,73.1 77.8,75.7 v1(77.8,75.8)
OPTO_TX: DD5.6 R36.2 | length 63.1
  Top Layer, Top w0.254: v1(76.7,50.9) 78.1,50.9 R36.2@78.2,51 ; v1(78.8,75.4) 78.8,74.9 79.65,74.05 DD5.6@79.65,72.45
  Bottom Layer, Bottom w0.254: v1(76.7,50.9) 76,51.6 66.975,51.6 56.4,62.175 56.4,69.154 60.869,73.623 74.523,73.623 77.4,76.5 78.4,76.5 78.8,76.1 v1(78.8,75.4)
RESET: C24.1 D1.27 DD5.46 R20.2 XT1.2 | length 59.1
  Top Layer, Top w0.25: D1.27@60.35,51.35 60.35,53.85 63.1,56.6 68.5,56.6 71.6,53.5 71.6,46.2 71.9,45.9 C24.1@72.4,45.9 75.904,45.9 XT1.2@76.099,45.705 77.845,45.705 80.612,48.473 80.612,50.612 82.625,52.625 82.625,65.027 82.1,65.552 82.1,66.136 80.925,67.311 80.925,69.075 81.798,69.948 83.648,69.948 DD5.46@83.65,69.95
ROFF: DD5.42 R30.2 VT4.1 | length 33.2
  Top Layer, Top w0.25: R30.2@58,66.7 58.2,66.5 v1(59,66.5) ; v1@81.95,67.95 v1@82.15,67.95 ; v1(82.1,68) v1@82.15,67.95 ; DD5.42@83.65,67.95 v1@82.15,67.95
  Top Layer, Top w0.4: VT4.1@56.45,66.45 57.75,66.45 R30.2@58,66.7
  Bottom Layer, Bottom w0.25: v1@59.1,66.5 v1(59,66.5) 63.1,62.4 66.5,62.4 68.9,64.8 81.055,64.8 81.725,65.47 81.725,66.62 81.525,66.82 81.525,67.425 v1(82.1,68)
RON: DD5.41 R24.2 VT1.1 | length 31.7
  Top Layer, Top w0.25: R24.2@58,63.2 58.1,63.3 v1(59,63.3) ; v1@82.1,66.9 v1@82.25,67.05 ; v1(82.2,67.1) 82.55,67.45 DD5.41@83.65,67.45
  Top Layer, Top w0.4: VT1.1@56.45,62.95 57.75,62.95 R24.2@58,63.2
  Bottom Layer, Bottom w0.25: v1(59,63.3) 60.5,61.8 66.8,61.8 69.2,64.2 81.3,64.2 82.2,65.1 v1(82.2,67.1)
RST: DD5.16 R32.2 XT2.3 | length 29.3
  Top Layer, Top w0.254: DD5.16@75.15,69.45 76.15,69.45 76.85,70.15 76.85,70.85 77.1,71.1 78.4,71.1 79.1,70.4 81.681,70.4 82.981,71.7 86.2,71.7 89.475,68.425 89.475,66.964 90.025,66.414 90.025,64.925 R32.2@89.3,64.2 ; XT2.3@87.968,57.73 87.968,59.668 89.2,60.9 R32.2@89.2,64.2
S1: DD5.24 pad.0@69.6,64.2 | length 10.1
  Top Layer, Top w0.25: pad.0@69.6,64.2 70.4,64.2 72.9,61.7 74.7,61.7 75.15,62.15 DD5.24@75.15,65.45
S2: DD5.25 pad.0@84.3,63.5 | length 13.2
  Top Layer, Top w0.25: v1(76.3,62.75) 76.45,62.75 76.65,62.95 DD5.25@76.65,63.95 ; pad.0@84.3,63.5 v1(85.5,64.7) v1@85.425,64.775
  Bottom Layer, Bottom w0.25: v1(76.3,62.75) 83.55,62.75 v1(85.5,64.7)
S3S4_SUP: C39.1 DA4.1 DD5.13 | length 17.1
  Top Layer, Top w0.25: DA4.1@62.15,80.75 62.3,80.6 63.5,80.6 C39.1@63.7,80.4 65.132,80.4 74.582,70.95 DD5.13@75.15,70.95
S4: DA4.2 DD5.14 | length 19.3
  Top Layer, Top w0.25: DA4.2@60.25,80.75 63.2,77.8 67.096,77.8 72,72.896 72,72.684 74.209,70.475 75.125,70.475 DD5.14@75.15,70.45
SCK: DD2.6 DD5.9 | length 14.3
  Top Layer, Top w0.25: DD2.6@70.4,82.635 71.065,82.635 75.1,78.6 75.9,78.6 76.6,77.9 76.6,75 78.15,73.45 DD5.9@78.15,72.45
STRIJ: DD5.3
SWCL: DD5.37 XT2.5 | length 15.2
  Top Layer, Top w0.25: DD5.37@83.65,65.45 85.85,65.45 87.2,64.1 87.2,60.7 84.675,58.175 84.675,54.725 84.376,54.426 XT2.5@84.376,54.138
SWIO: DD5.38 XT2.4 | length 14
  Top Layer, Top w0.25: DD5.38@83.65,65.95 86.15,65.95 87.925,64.175 87.925,60.525 86.172,58.772 XT2.4@86.172,55.934
TCXO_EN: D1.19 DA3.3 | length 26.3
  Top Layer, Top w0.25: DA3.3@51.2,38.8 DA3.3@51.25,38.75 52.075,38.75 53.025,39.7 v1(53.925,39.7) ; D1.19@64.05,50.15 64.75,50.15 v1(65.1,50.5)
  Bottom Layer, Bottom w0.25: v1(53.925,39.7) 53.877,39.748 53.877,40.723 57.9,44.745 57.9,51.5 59,52.6 63,52.6 v1(65.1,50.5)
URX: DD5.21
UTX: DD5.20
pads on no net: D1.10 D1.11 D1.12 D1.13 D1.14 D1.15 D1.17 D1.20 D1.21 D1.22 D1.23 D1.30 D1.31 D1.33 D1.34 DA1.1 DA1.20 DA1.21 DA1.22 DA3.4 DD5.2 DD5.39 DD5.48 X1.6

## Polygon pours and split planes (outlines as drawn)
GND on Bottom Layer, Bottom "Bottom Layer, Bottom-No Net" (solid, remove dead copper, pour order 11): -0.244,33.327 48.576,33.327 52.776,29.827 62.048,29.827 92.5,60.5 95.654,60.5 98.31,101.227 0.156,101.227 -0.244,100.827
GND on Top Layer, Top "Bottom Layer, Bottom-No Net" (solid, remove dead copper, pour order 13): -0.244,33.327 48.576,33.327 52.776,29.827 62.048,29.827 92.5,60.5 95.654,60.5 98.31,101.227 0.156,101.227 -0.244,100.827

## Keep-outs
Keep-Out Layer, Board:
  the board outline again, w0.1

## Other copper
Top Layer, Top:
  rectangle net GND: 90.7,21.2 93.7,25.5
  pour cut-out: 2.925,72.9 4.125,74.1 5.4,74.1 9.2,70.3 9.2,68.55 7.925,67.275 6.6,67.275 2.925,70.95
  pour cut-out: 41.513,93.35 41.513,86.662 41.725,86.45 57.1,86.45 57.175,86.375 57.175,82 41.9,82 38.75,78.85 1.5,78.85 1.5,93.337 1.487,93.35
  region net GND: 52.8,33.5 52.8,0.5 39,0.5 39,5.5 47.8,5.5 47.8,33.5
  region net GND: 7.25,10.5 8.75,10.5 8.75,9.375 7.25,9.375
  region: 7.25,8.85 8.75,8.85 8.75,6.75 7.25,6.75
  text "SPLIT_V_1_0" at 5.3,98 h1
  text "7.12.16" at 5.4,95.3 h1
Bottom Layer, Bottom:
  pour cut-out: 2.925,72.9 4.125,74.1 5.4,74.1 9.2,70.3 9.2,68.55 7.925,67.275 6.6,67.275 2.925,70.95
  pour cut-out: 1.5,93.337 1.513,93.35 41.513,93.35 41.513,81.913 41.5,81.9 41.461,81.939 1.487,81.939 1.487,93.336 1.501,93.35

## Silkscreen, mask and mechanical layers (free items; w line width, h text height)
Top Overlay, Top Silk:
  region: 77.5,6.9 78.1,6.5 77.5,6.1
  region: 83.9,6.9 84.5,6.5 83.9,6.1
  region: 4.975,7.45 4.375,7.05 4.975,6.65
  region: 58.375,7.55 57.775,7.15 58.375,6.75
  lines w0.1: 51.9,56 53.4,56 ; 52.65,55.25 52.65,56.75 ; 58.5,34.8 59.3,34 67.7,34 69.4,32.3 69.4,23.5 ; 75.8,65 75.8,64.6 76.2,64.6 ; 75.8,71.4 75.8,71.8 76.2,71.8 ; 78.5,78 83.9,78 84.7,78.8 84.7,80.3 85.3,80.9 89.9,80.9 ; 80.225,91.35 80.225,96.175 ; 82.6,64.6 83,64.6 83,65 ; 82.6,71.8 83,71.8 83,71.4 ; 14.425,68.6 15.425,68.6 ; 14.425,68.6 14.425,68.6 ; 14.425,68.6 14.425,59 15.425,59 ; 15.425,59 15.425,59 ; 15.425,59 15.425,46 17.825,46 17.825,45 ; 15.425,68.6 15.425,79 ; 15.425,68.6 15.425,68.6 ; 15.425,79 27.025,79 ; 15.425,79 15.425,79 ; 17.825,45 17.825,45 ; 17.825,45 22.825,45 22.825,45 22.825,46 22.825,46 41.425,46 ; 27.025,79 27.025,80 ; 27.025,79 27.025,79 ; 27.025,80 32.025,80 ; 27.025,80 27.025,80 ; 32.025,79 52.025,79 ; 32.025,79 32.025,79 ; 32.025,79 32.025,80 ; 32.025,80 32.025,80 ; 41.425,46 41.425,46 ; 41.425,46 41.425,48.6 52.025,48.6 ; 52.025,48.6 52.025,48.6 ; 52.025,48.6 52.025,79 ; 52.025,79 52.025,79
  text "S1" at 67.4,65.6 h1.52
  text "S2" at 85.7,61.5 h1.52
Top Solder, Top Mask:
  rectangle: 5.095,95.1 12.695,96.51
  rectangle: 5.095,97.51 15.85,99.16
  region: 7.25,10.5 8.75,10.5 8.75,9.375 7.25,9.375
  region: 7.25,8.85 8.75,8.85 8.75,6.75 7.25,6.75

## Text inside footprints (layer, text, board x,y; h text height)
C1: Top Overlay, Top Silk "-" at 68.3,76.25 h1 r90; Top Overlay, Top Silk "+" at 68.3,68.25 h1 r90
C12: Top Overlay, Top Silk "+" at 5,41 h1 r270; Top Overlay, Top Silk "-" at 5,35 h1 r270
C13: Top Overlay, Top Silk "+" at 17.1,40.85 h1 r270; Top Overlay, Top Silk "-" at 17.1,34.85 h1 r270